# Altium PCB LimeSDR-Micro_M.2_2280_1v2.PcbDoc (part 7 of 9)
Units mm, origin at the board's own origin, x right, y up, seen from the top; angles counter-clockwise.
Board outline 80 x 22 mm, 8 copper layers (Top, L2, L3, L4, L5, L6, L7, Bottom), stack 0.775 mm thick; 678 components, 387 nets, 2375 pads, 919 vias.
Unrouted connection lines stored in the file: 254.
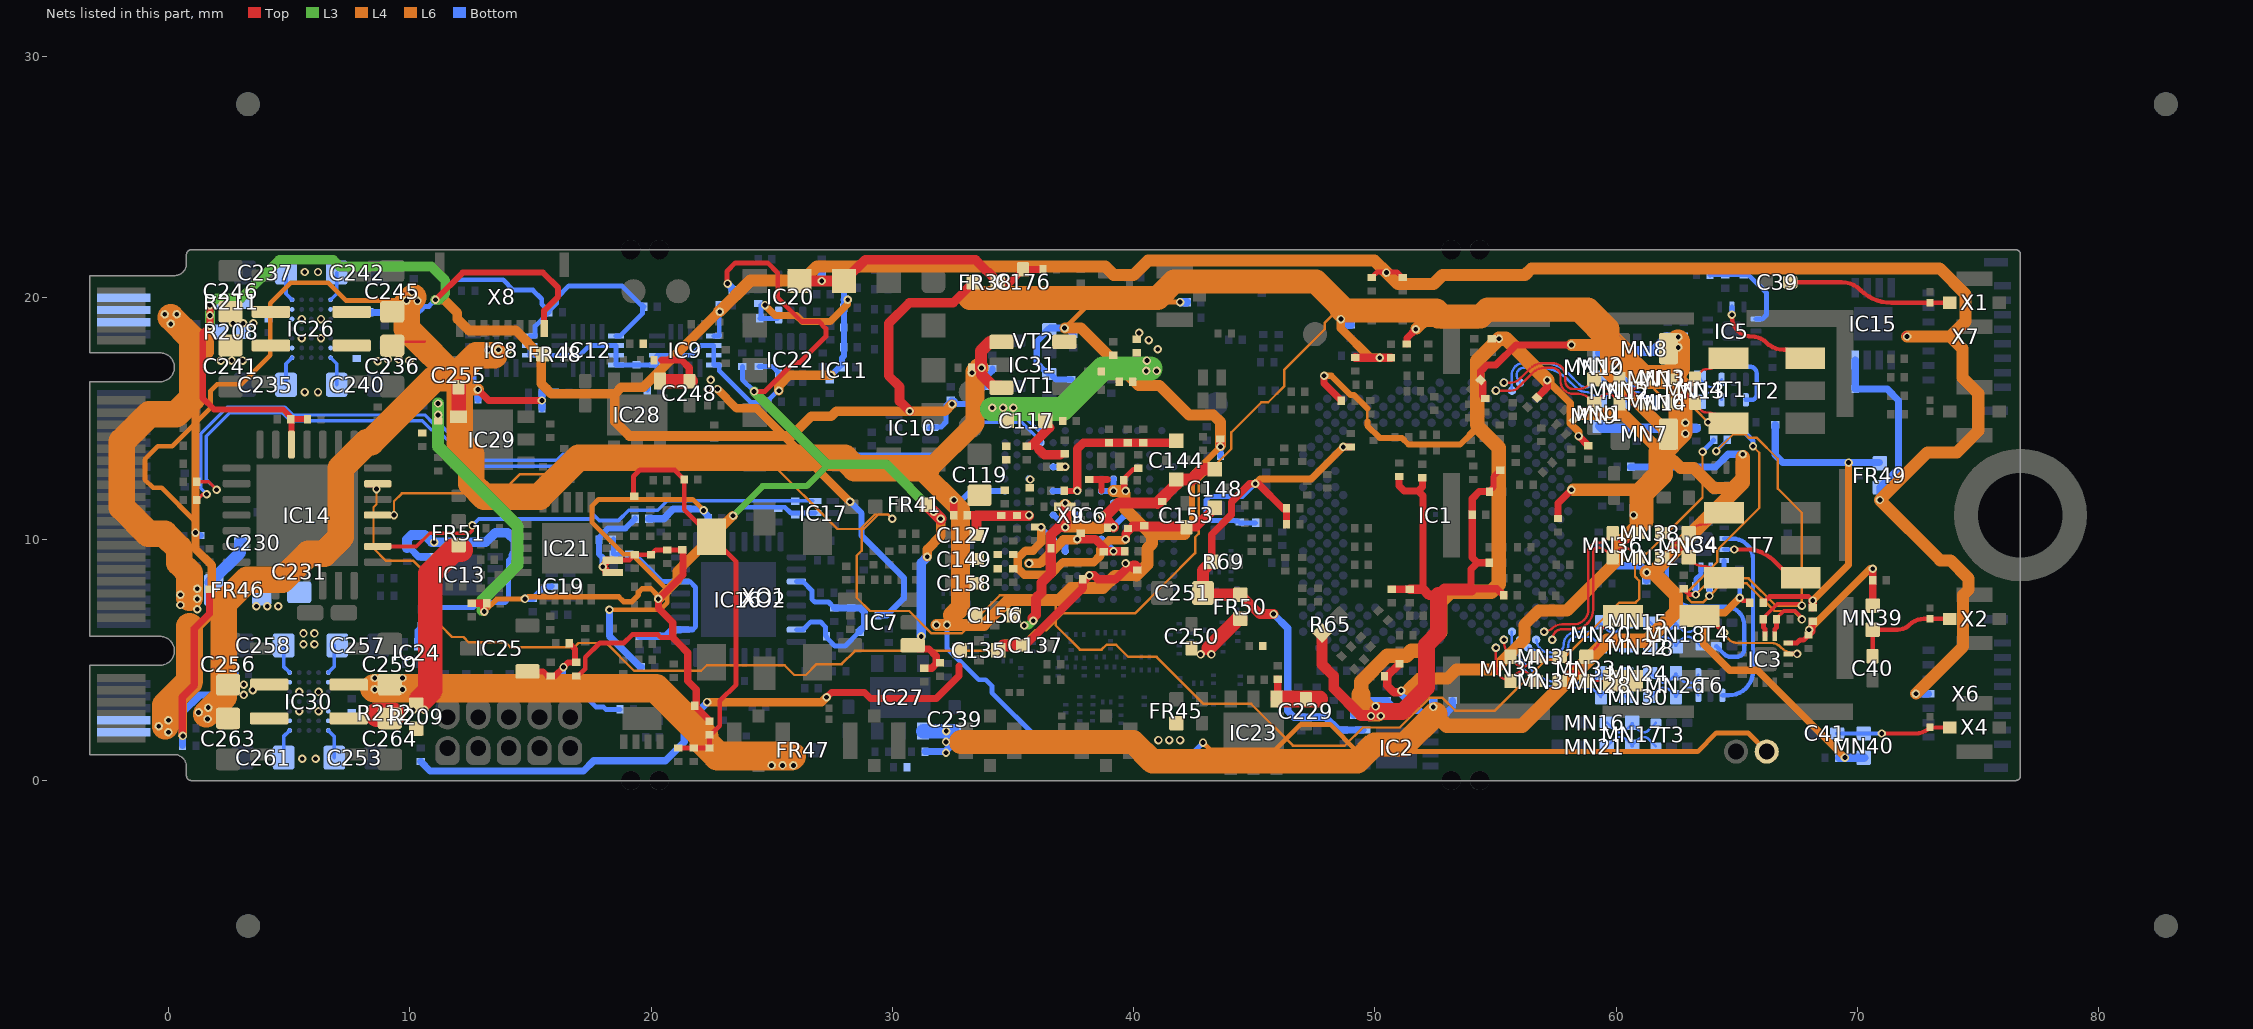
[diagram p13: the nets of this part, all layers, seen from the top]

## Via types
v1: diameter 0.35, hole 0.2, Top to Bottom, tented both sides, 753 vias
v2: diameter 0.35, hole 0.2, L5 to Bottom, tented both sides, 124 vias
v3: diameter 0.4, hole 0.2, Top to Bottom, tented both sides, 30 vias
v4: diameter 0.5, hole 0.2, Top to Bottom, tented both sides, 12 vias

## Nets (pads, with @x,y where several pads share a name; then routed paths per layer and width w, separated by ;. In a path a pad name is that pad's centre, name@x,y a point inside that pad or via, vN(x,y) a via of type N, cw(c..) or ccw(c..) an arc to the next point about the centre after c; other vN are vias at no path point) (continued)
RX1_L_B_N: MN17.1 MN21.1 T3.3 | length 2.7
  Bottom w0.1: MN21.1@59.613,1.403 59.907,1.697 cw(c60.164,1.439) 60.164,1.803 ; 60.162,1.803 cw(c60.162,1.439) 60.42,1.697 MN17.1@60.688,1.428 ; MN17.1@60.638,1.429 60.907,1.697 cw(c61.164,1.439) 61.164,1.803 cw(c61.164,1.586) 61.318,1.74 T3.3@61.641,1.417
RX1_L_B_P: MN16.1 MN17.2 T3.4 | length 2.7
  Bottom w0.1: MN16.1@59.613,2.403 59.907,2.11 ccw(c60.164,2.368) 60.163,2.004 ccw(c60.162,2.368) 60.42,2.11 MN17.2@60.688,2.378 ; MN17.2@60.638,2.378 60.663,2.354 60.907,2.11 ccw(c61.164,2.368) 61.164,2.004 ccw(c61.164,2.221) 61.318,2.067 T3.4@61.641,2.39
RX1_W: IC3.3 T8.1 | length 5
  Top w0.18: T8.1@63.456,6.82 T8.1@63.721,6.82 ; T8.1@63.746,6.845 v1(64.466,6.125) ; IC3.3@67.118,5.25 v1(67.491,5.25)
  L6 w0.1: v1@64.441,6.1 ccw(c64.501,6.1) 64.458,6.057 64.666,5.85 ccw(c65.028,6.212) 65.028,5.7 66.454,5.7 cw(c66.454,5.25) 66.773,5.568 66.808,5.533 ccw(c67.491,6.216) v1(67.491,5.25)
RX1_W_A_N: IC1.AP10 MN35.1 MN37.2 | length 3
  Top w0.1: v1(55.013,5.501) 55.013,4.727 ccw(c55.591,4.727) 55.591,4.15 55.859,4.418 cw(c56.117,4.16) 56.117,4.525 ; 56.115,4.525 cw(c56.115,4.16) 56.372,4.418 MN37.2@56.666,4.125
RX1_W_A_P: IC1.AN9 MN31.2 MN35.2 | length 2.4
  Top w0.1: v1(55.346,5.834) 55.346,5.776 ccw(c56.266,5.776) MN35.2@55.616,5.125 MN35.2@55.411,5.125 ; MN35.2@55.591,5.1 55.859,4.832 ccw(c56.117,5.09) 56.117,4.725 ; 56.115,4.725 ccw(c56.115,5.09) 56.372,4.832 MN31.2@56.666,5.125
RX1_W_B_N: MN33.1 MN37.1 T8.4 | length 2.9
  Top w0.1: MN37.1@57.666,4.125 57.959,4.418 cw(c58.217,4.16) 58.217,4.525 ; 58.215,4.525 cw(c58.215,4.16) 58.472,4.418 MN33.1@58.741,4.15 ; MN33.1@58.766,4.125 T8.4@60.276,4.125
RX1_W_B_P: MN31.1 MN33.2 T8.6 | length 3.8
  Top w0.1: MN31.1@57.666,5.125 57.959,4.832 ccw(c58.217,5.09) 58.217,4.725 ; 58.215,4.725 ccw(c58.215,5.09) 58.472,4.832 MN33.2@58.741,5.1 ; MN33.2@58.766,5.125 59.136,5.495 ccw(c58.581,6.05) 59.366,6.05 ; 59.366,6.084 cw(c59.827,6.084) 59.501,6.41 59.501,6.42 59.643,6.562 59.653,6.562 cw(c60.276,5.939) T8.6@60.276,6.82
RX2_H: IC4.2 T6.1 | length 8.2
  Bottom w0.18: T6.1@64.399,3.53 64.659,3.53 ccw(c64.659,4.536) 65.666,4.536 65.666,9.179 ccw(c64.819,9.179) 64.819,10.025 IC4.2@64.468,10.025
RX2_H_A_N: IC1.AM8 MN28.1 MN30.2 | length 6.7
  Bottom w0.1: IC1.AM8@55.679,6.167 55.671,6.159 55.671,5.493 ccw(c56.591,5.493) 55.941,4.842 56.377,4.406 ccw(c57.709,5.739) 57.709,3.855 58.485,3.855 58.817,3.855 cw(c58.817,3.49) 59.075,3.748 MN28.1@59.343,3.48 ; MN28.1@59.368,3.455 MN28.1@59.343,3.48 ; MN30.2@60.418,3.455 60.125,3.748 ccw(c59.867,3.49) 59.868,3.854 ccw(c59.869,3.49) 59.612,3.748 MN28.1@59.343,3.48
RX2_H_A_P: IC1.AN7 MN24.2 MN28.2 | length 6
  Bottom w0.1: IC1.AN7@56.012,5.834 cw(c55.909,5.834) 55.982,5.761 ccw(c56.25,5.494) 55.871,5.494 ccw(c56.593,5.494) 56.083,4.983 56.516,4.55 ccw(c57.712,5.746) 57.712,4.055 58.485,4.055 ; 58.488,4.055 58.817,4.055 ccw(c58.817,4.419) 59.075,4.161 59.343,4.43 59.612,4.161 ccw(c59.869,4.419) 59.868,4.055 ccw(c59.867,4.419) 60.125,4.161 MN24.2@60.418,4.455
RX2_H_B_N: MN26.1 MN30.1 T6.3 | length 2.7
  Bottom w0.1: MN30.1@61.418,3.455 61.712,3.748 cw(c61.969,3.49) 61.969,3.854 ; 61.967,3.854 cw(c61.967,3.49) 62.225,3.748 MN26.1@62.468,3.505 ; MN26.1@62.443,3.48 MN26.1@62.468,3.505 ; MN26.1@62.493,3.48 MN26.1@62.468,3.505 ; T6.3@63.399,3.53 cw(c63.519,3.65) 63.349,3.65 ccw(c63.144,3.65) 63.144,3.855 62.969,3.855 ccw(c62.969,3.49) 62.712,3.748 MN26.1@62.468,3.505
RX2_H_B_P: MN24.1 MN26.2 T6.4 | length 2.7
  Bottom w0.1: MN24.1@61.418,4.455 61.712,4.161 ccw(c61.969,4.419) 61.969,4.055 ; 61.967,4.055 ccw(c61.967,4.419) 62.225,4.161 MN26.2@62.493,4.43 ; MN26.2@62.443,4.43 62.712,4.161 ccw(c62.969,4.419) 62.969,4.055 63.144,4.055 ccw(c63.144,4.259) 63.349,4.259 cw(c63.519,4.259) T6.4@63.399,4.38
RX2_L: IC4.9 T4.2 | length 8.4
  Bottom w0.18: IC4.9@62.563,9.575 62.416,9.575 ccw(c62.416,9.25) 62.194,9.487 ccw(c62.416,9.25) 62.091,9.25 62.091,8.325 ccw(c63.216,8.325) 63.216,7.2 64.545,7.2 cw(c64.545,6.445) 65.3,6.445 65.3,5.43 cw(c65,5.43) 65,5.13 64.725,5.13 cw(c64.725,5.467) 64.486,5.229 T4.2@64.15,5.565
RX2_L_A_N: IC1.AP6 MN20.1 MN22.2 | length 5.1
  Bottom w0.1: IC1.AP6@56.345,5.501 ccw(c56.427,5.583) 56.427,5.467 cw(c56.427,5.121) 56.672,5.366 56.752,5.286 ccw(c57.14,5.674) 57.14,5.125 57.516,5.125 ccw(c57.516,5.625) 58.016,5.625 cw(c58.345,5.625) 58.345,5.954 58.817,5.954 cw(c58.817,5.59) 59.075,5.848 MN20.1@59.343,5.58 ; MN20.1@59.368,5.555 MN20.1@59.343,5.58 ; MN22.2@60.418,5.555 60.125,5.848 ccw(c59.867,5.59) 59.868,5.954 ccw(c59.869,5.59) 59.612,5.848 MN20.1@59.343,5.58
RX2_L_A_P: IC1.AN5 MN15.2 MN20.2 | length 4.9
  Bottom w0.1: IC1.AN5@56.678,5.834 cw(c56.596,5.752) 56.712,5.752 ccw(c57.059,5.752) 56.814,5.507 56.893,5.427 ccw(c57.141,5.675) 57.141,5.325 57.516,5.325 ccw(c57.516,5.625) 57.816,5.625 cw(c58.345,5.625) 58.345,6.155 58.817,6.155 ccw(c58.817,6.519) 59.075,6.261 59.343,6.53 59.612,6.261 ccw(c59.869,6.519) 59.868,6.155 ccw(c59.867,6.519) 60.125,6.261 MN15.2@60.418,6.555
RX2_L_B_N: MN18.1 MN22.1 T4.3 | length 2.7
  Bottom w0.1: MN22.1@61.418,5.555 61.712,5.848 cw(c61.969,5.59) 61.968,5.954 cw(c61.967,5.59) 62.225,5.848 MN18.1@62.468,5.605 ; MN18.1@62.443,5.58 MN18.1@62.468,5.605 ; MN18.1@62.493,5.58 MN18.1@62.468,5.605 ; T4.3@63.5,5.565 63.21,5.855 ccw(c62.969,5.614) 62.969,5.955 ccw(c62.969,5.59) 62.712,5.848 MN18.1@62.468,5.605
RX2_L_B_P: MN15.1 MN18.2 T4.4 | length 2.7
  Bottom w0.1: MN15.1@61.418,6.555 61.712,6.261 ccw(c61.969,6.519) 61.968,6.155 ccw(c61.967,6.519) 62.225,6.261 MN18.2@62.468,6.504 ; MN18.2@62.443,6.53 MN18.2@62.468,6.504 ; MN18.2@62.493,6.53 MN18.2@62.468,6.504 ; T4.4@63.5,6.545 63.21,6.254 cw(c62.969,6.495) 62.969,6.155 cw(c62.969,6.519) 62.712,6.261 MN18.2@62.468,6.504
RX2_W: IC4.3 T7.3 | length 3.5
  Top w0.18: v1(64.891,9.575) 65.429,9.575 cw(c65.429,8.039) 66.516,9.125 66.969,8.672 ccw(c67.613,9.315) T7.3@67.613,8.405
  Bottom w0.18: IC4.3@64.468,9.575 v1(64.891,9.575)
RX2_W_A_N: IC1.AM4 MN36.1 MN38.2 | length 7.4
  Top w0.1: v1(57.011,6.167) cw(c57.093,6.085) 57.093,6.201 ccw(c57.093,6.547) 57.338,6.302 ; 57.339,6.303 cw(c57.754,5.888) 57.754,6.475 58.235,6.475 ccw(c58.235,7.081) 58.841,7.081 58.841,9.5 cw(c59.191,9.5) 59.191,9.85 ccw(c59.191,10.485) 59.64,10.036 MN36.1@59.829,10.225 ; MN36.1@59.854,10.25 MN36.1@59.829,10.225 ; MN38.2@60.904,10.25 60.61,9.957 cw(c60.353,10.215) 60.354,9.85 cw(c60.355,10.215) 60.097,9.957 MN36.1@59.829,10.225
RX2_W_A_P: IC1.AN3 MN32.2 MN36.2 | length 7.2
  Top w0.1: v1(57.344,5.834) ccw(c57.262,5.916) 57.378,5.916 cw(c57.725,5.916) 57.48,6.161 cw(c57.755,5.886) 57.755,6.275 58.235,6.275 ccw(c58.235,7.081) 59.041,7.081 59.041,9.5 cw(c59.191,9.5) 59.191,9.65 cw(c59.191,9.015) 59.64,9.464 MN36.2@59.829,9.275 ; MN36.2@59.854,9.25 MN36.2@59.829,9.275 ; MN32.2@60.904,9.25 60.61,9.543 ccw(c60.353,9.285) 60.354,9.65 ccw(c60.355,9.285) 60.097,9.543 MN36.2@59.829,9.275
RX2_W_B_N: MN34.1 MN38.1 T7.6 | length 3.1
  Top w0.1: MN38.1@61.904,10.25 62.197,9.957 ccw(c62.455,10.215) 62.455,9.85 ; 62.453,9.85 ccw(c62.453,10.215) 62.71,9.957 MN34.1@62.979,10.225 ; MN34.1@63.004,10.25 63.221,10.468 cw(c63.541,10.148) 63.541,10.6 ccw(c63.541,11.633) 64.271,10.903 T7.6@64.464,11.095
RX2_W_B_P: MN32.1 MN34.2 T7.4 | length 2.8
  Top w0.1: MN32.1@61.904,9.25 62.197,9.543 cw(c62.455,9.285) 62.455,9.65 ; 62.453,9.65 cw(c62.453,9.285) 62.71,9.543 MN34.2@62.979,9.275 ; MN34.2@63.221,9.032 ccw(c63.541,9.352) 63.541,8.9 cw(c63.541,7.867) 64.271,8.597 T7.4@64.464,8.405
RX_SW2: IC14.25 R60.2 | length 76.6
  Top w0.15: IC14.25@8.675,11 v1(9.35,11)
  L4 w0.1: v1(30,10.85) 29.991,10.85 29.816,11.025 29.275,11.025 28.725,10.475 28.725,9.525 28.525,9.325 28.525,7.575 29.075,7.025 30.7,7.025 31.625,6.1 32.875,6.1 34.45,7.675 36.425,7.675 36.775,7.325 36.775,6.425 37.775,5.425 38.375,5.425 38.675,5.425 38.875,5.625 39.275,5.625 39.775,5.125 40.95,5.125 42.9,3.175 44.875,3.175 46.6,1.45 48.75,1.45 49.5,2.2 51.031,2.2 52.256,3.425 52.8,3.425 53.325,2.9 54.975,2.9 57.075,5 57.75,5 60.125,7.375 60.8,7.375 60.95,7.525 60.95,8.275 60.775,8.45 60.775,8.925 63.575,11.725 v1(63.575,13.625)
  L6 w0.1: v1(9.35,11) 9.35,11.575 9.675,11.9 13.775,11.9 14.575,12.7 16.341,12.7 16.926,13.285 24.862,13.285 27.722,10.425 28.815,10.425 29.415,11.025 29.816,11.025 29.991,10.85 v1(30,10.85)
  Bottom w0.2: v1(63.575,13.625) 63.575,13.639 64.036,14.1 R60.2@64.036,14.125
RX_SW2_DIV: C46.1 C48.1 IC3.6 IC4.6 R60.1 R64.1 | length 20
  Top w0.15: C46.1@66.096,6.675 66.146,6.725 66.146,6.793 66.678,7.325 v1@67.616,7.325
  Top w0.2: R64.1@62.791,7.945 62.816,7.945 62.866,7.895 62.866,7.87 63.024,7.712 63.293,7.712 v1(63.294,7.71) ; C46.1@66.096,6.675 66.096,6.345 66.166,6.275 IC3.6@66.166,5.977
  L4 w0.1: v1(63.294,7.71) 63.959,8.375 65.483,8.375 66.608,7.25 v1(67.691,7.25) 67.691,11.1 66.691,12.1 66.691,13.334 65.825,14.2 65.5,14.2 65.35,14.35 64.846,14.35 v1(64.146,13.65)
  Bottom w0.15: v1(64.146,13.65) 64.146,13.675 64.158,13.675 64.596,14.113 R60.1@64.596,14.125
  Bottom w0.2: v1(63.294,7.71) C48.1@63.294,8.06 63.294,8.354 63.516,8.575 IC4.6@63.516,8.847
RX_SW3: IC14.27 R61.2 | length 73.7
  Top w0.3: IC14.27@8.3,12.3 IC14.27@8.725,12.3 ; v1(8.625,12.075) IC14.27@8.625,12.236
  L6 w0.1: v1(8.625,12.075) 8.625,11.45 8.5,11.325 8.5,9.625 9.025,9.1 10.158,9.1 11.275,7.983 11.275,6.434 11.759,5.95 12.225,5.95 12.45,5.725 13.975,5.725 14.175,5.525 16.825,5.525 17,5.7 18.15,5.7 19.3,4.55 22.083,4.55 22.308,4.775 25.535,4.775 25.935,4.375 26.413,4.375 26.863,4.825 27.898,4.825 28.448,5.375 34.225,5.375 34.65,5.8 35.491,5.8 35.916,6.225 36.365,6.225 37.065,6.925 40.05,6.925 41.3,8.175 ; 41.301,8.175 42.55,9.424 42.55,10.081 42.7,10.231 42.7,12.4 44.05,13.75 44.05,14.433 45.292,15.675 45.576,15.675 46.25,16.349 46.25,17.035 47.925,18.71 47.925,18.975 48.65,19.7 52.45,19.7 52.775,19.375 54.066,19.375 54.641,19.95 58.666,19.95 59.134,19.482 59.368,19.248 60.766,17.85 60.766,17.025 62.391,15.4 63.256,15.4 v2(63.806,14.85)
RX_SW3_DIV: C47.1 C49.1 IC3.5 IC4.5 R61.1 R63.1 | length 18.5
  Top w0.15: C47.1@66.636,6.723 66.938,7.025 67.418,7.025 67.691,6.752 v1@67.691,6.7
  Top w0.2: IC3.5@66.566,5.977 66.566,6.275 66.636,6.345 C47.1@66.636,6.675 C47.1@66.636,6.723
  L4 w0.1: v1(65.666,13.85) 65.666,13.845 65.925,13.586 65.925,11.3 64.191,9.566 64.191,9.066 62.966,7.841 62.966,7.55 63.131,7.385 63.596,7.385 v1(63.861,7.65) 64.386,8.175 65.4,8.175 66.55,7.025 67.341,7.025 v1(67.691,6.675)
  Bottom w0.2: v1(63.861,7.65) C49.1@63.861,8 63.916,8.055 IC4.5@63.916,8.847 ; R61.1@64.591,14.85 R63.1@65.231,14.85 65.231,14.51 65.666,14.075 v1(65.666,13.85)
RXA: C40.1 ESD2.1 MN39.1 X2.1 | length 4.4
  Top w0.18: C40.1@70.625,5.15 MN39.1@70.625,6.25 71.667,6.25 ccw(c71.667,6.933) 72.15,6.45 cw(c72.753,5.847) 72.753,6.7 ESD2.1@73,6.7 X2.1@73.825,6.7
RXB: C41.1 ESD3.1 MN40.1 X4.1 | length 4.7
  Top w0.18: v1(71,1.95) 72.397,1.95 ccw(c72.397,2.803) ESD3.1@73,2.2 X4.1@73.825,2.2
  Bottom w0.18: C41.1@69.15,1.95 MN40.1@70.25,1.95 v1(71,1.95)
SMB_CLK_CTRL: IC14.23 IC17.6 R159.1 | length 19.1
  Top w0.15: IC14.23@8.675,9.7 10.275,9.7 10.825,10.25 12.475,10.25 12.6,10.375 v1(12.6,10.575)
  Bottom w0.15: v1(12.6,10.575) 12.865,10.84 17.491,10.84 17.638,10.987 17.85,10.775 18.65,10.775 19.075,11.2 20.275,11.2 20.675,11.6 IC17.6@26.7,11.6
T0_N: C116.2 IC6.R4 | length 40.3
  Top w0.14: C116.2@1.175,11.625 1.416,11.866 v1(1.585,11.866)
  Bottom w0.14: v1(1.585,11.866) 1.335,12.116 1.335,14.369 2.441,15.475 4.825,15.475 4.855,15.445 4.865,15.445 5.16,15.15 10.625,15.15 11,14.775 11.25,14.775 12.75,13.275 16.1,13.275 16.35,13.525 32.011,13.525 33.566,15.081 35.469,15.081 36.019,14.531 36.136,14.531 IC6.R4@36.167,14.5
T0_P: C114.2 IC6.P4 | length 40.4
  Top w0.14: C114.2@1.175,12.375 1.675,12.375 v1(2,12.05)
  Bottom w0.14: v1(2,12.05) 1.575,12.475 1.575,14.269 2.541,15.235 4.726,15.235 4.756,15.205 4.766,15.205 5.061,14.91 10.526,14.91 10.901,14.535 11.151,14.535 12.661,13.025 16.211,13.025 16.471,13.285 16.51,13.285 32.11,13.285 33.666,14.841 35.369,14.841 36.167,14.043 IC6.P4@36.167,14
TX1_1: IC5.11 T1.1 | length 3
  Bottom w0.18: IC5.11@64.791,17.625 64.791,17.425 ccw(c65.066,17.425) 65.066,17.15 65.541,17.15 cw(c65.541,16.875) 65.816,16.875 65.816,15.987 cw(c65.604,15.987) 65.604,15.775 T1.1@65.367,15.775
TX1_1_A_N: IC1.A7 MN1.1 MN5.1 MN6.2 | length 7.2
  Bottom w0.1: IC1.A7@56.012,16.49 ccw(c55.909,16.49) 55.982,16.563 55.962,16.583 cw(c56.181,16.802) 55.871,16.802 cw(c56.181,16.802) 55.962,17.021 cw(c56.152,16.831) 56.152,17.1 56.864,17.1 cw(c56.864,15.545) 57.963,16.644 58.328,16.28 ccw(c58.763,16.715) 58.763,16.1 58.765,16.1 cw(c58.765,15.735) 59.022,15.993 MN1.1@59.316,15.7 59.609,15.993 cw(c59.867,15.735) 59.866,16.1 cw(c59.865,15.735) 60.122,15.993 MN5.1@60.366,15.75 ; MN5.1@60.341,15.725 MN5.1@60.366,15.75 ; MN5.1@60.391,15.725 MN5.1@60.366,15.75 ; MN6.2@61.416,15.7 61.122,15.993 ccw(c60.865,15.735) 60.866,16.1 ccw(c60.867,15.735) 60.609,15.993 MN5.1@60.366,15.75
TX1_1_A_P: IC1.B8 MN2.1 MN3.1 MN5.2 | length 7.8
  Bottom w0.1: IC1.B8@55.679,16.157 55.671,16.165 55.671,16.803 cw(c56.179,16.803) 55.82,17.162 55.821,17.163 cw(c56.151,16.833) 56.151,17.3 56.947,17.3 cw(c56.947,15.745) 58.046,16.844 58.468,16.423 ccw(c58.765,16.72) 58.765,16.3 ccw(c58.765,16.665) 59.022,16.407 MN2.1@59.291,16.675 ; MN2.1@59.316,16.7 59.609,16.407 ccw(c59.867,16.665) 59.866,16.3 ccw(c59.865,16.665) 60.122,16.407 MN5.2@60.366,16.65 ; MN5.2@60.341,16.675 MN5.2@60.366,16.65 ; MN5.2@60.391,16.675 MN5.2@60.366,16.65 ; MN3.1@61.416,16.7 61.122,16.407 cw(c60.865,16.665) 60.866,16.3 cw(c60.867,16.665) 60.609,16.407 MN5.2@60.366,16.65
TX1_1_B_N: MN4.2 MN6.1 T1.3 | length 2.6
  Bottom w0.1: MN6.1@62.416,15.7 62.709,15.993 cw(c62.967,15.735) 62.966,16.1 ; 62.966,16.1 cw(c62.965,15.735) 63.222,15.993 MN4.2@63.466,15.75 ; MN4.2@63.441,15.725 MN4.2@63.466,15.75 ; MN4.2@63.491,15.725 MN4.2@63.466,15.75 ; T1.3@64.367,15.775 cw(c64.487,15.896) 64.317,15.896 ccw(c64.112,15.896) 64.112,16.1 63.967,16.1 ccw(c63.967,15.735) 63.709,15.993 MN4.2@63.466,15.75
TX1_1_B_P: MN3.2 MN4.1 T1.4 | length 2.6
  Bottom w0.1: MN3.2@62.416,16.7 62.709,16.407 ccw(c62.967,16.665) 62.966,16.3 ; 62.966,16.3 ccw(c62.965,16.665) 63.222,16.407 MN4.1@63.466,16.65 ; MN4.1@63.441,16.675 MN4.1@63.466,16.65 ; MN4.1@63.491,16.675 MN4.1@63.466,16.65 ; T1.4@64.367,16.625 ccw(c64.487,16.504) 64.317,16.504 cw(c64.112,16.504) 64.112,16.3 63.967,16.3 cw(c63.967,16.665) 63.709,16.407 MN4.1@63.466,16.65
TX1_2: IC5.5 T2.1 | length 3.4
  Top w0.18: v1(64.791,19.3) 64.791,19.221 ccw(c65.612,19.221) 65.612,18.4 cw(c65.612,17.546) 66.216,18.15 ccw(c66.94,18.874) 66.94,17.85 T2.1@67.091,17.85 ; T2.1@67.761,17.564 T2.1@67.831,17.495
  Bottom w0.2: v1(64.791,19.3) IC5.5@64.791,19.625
TX1_2_A_N: IC1.B10 MN9.1 MN12.2 MN14.1 | length 8
  Top w0.1: v1(55.013,16.157) 55.634,16.157 ccw(c55.634,16.552) 55.914,16.273 56.564,16.923 cw(c56.991,16.496) 56.991,17.1 57.341,17.1 cw(c57.341,16.75) 57.691,16.75 57.691,16.55 ccw(c58.216,16.55) 58.216,16.025 58.428,16.025 cw(c58.428,15.39) 58.877,15.839 MN9.1@59.091,15.625 59.384,15.918 cw(c59.642,15.66) 59.641,16.025 cw(c59.64,15.66) 59.897,15.918 60.141,15.675 60.116,15.65 60.384,15.918 cw(c60.642,15.66) 60.641,16.025 cw(c60.64,15.66) 60.897,15.918 MN14.1@61.191,15.625
TX1_2_A_P: IC1.A9 MN10.1 MN11.2 MN12.1 | length 7.7
  Top w0.1: v1(55.346,16.49) 55.633,16.49 ccw(c55.633,17.01) 56,16.642 ; 56.047,16.689 56,16.642 ; MN11.2@61.191,16.625 60.897,16.332 cw(c60.64,16.59) 60.641,16.225 cw(c60.642,16.59) 60.384,16.332 60.116,16.6 60.141,16.575 59.897,16.332 cw(c59.64,16.59) 59.641,16.225 cw(c59.642,16.59) 59.384,16.332 MN10.1@59.091,16.625 58.877,16.411 cw(c58.428,16.86) 58.428,16.225 58.216,16.225 cw(c58.216,16.55) 57.891,16.55 57.891,16.75 ccw(c57.341,16.75) 57.341,17.3 56.99,17.3 ccw(c56.99,16.498) 56.423,17.065 56,16.642
TX1_2_B_N: MN13.1 MN14.2 T2.4 | length 3.1
  Top w0.1: MN14.2@62.191,15.625 62.484,15.918 cw(c62.742,15.66) 62.742,16.025 ; 62.74,16.025 cw(c62.74,15.66) 62.997,15.918 MN13.1@63.266,15.65 ccw(c63.386,15.65) 63.301,15.565 63.527,15.338 ccw(c63.741,15.552) 63.741,15.25 cw(c63.741,14.127) 64.535,14.921 T2.4@64.651,14.805
TX1_2_B_P: MN11.1 MN13.2 T2.6 | length 3.1
  Top w0.1: MN11.1@62.191,16.625 62.484,16.332 ccw(c62.742,16.59) 62.742,16.225 ; 62.74,16.225 ccw(c62.74,16.59) 62.997,16.332 MN13.2@63.266,16.6 ; MN13.2@63.266,16.65 cw(c63.386,16.65) 63.301,16.735 63.527,16.962 cw(c63.741,16.748) 63.741,17.05 ccw(c63.741,18.173) 64.535,17.379 T2.6@64.651,17.495
TX_SW_DIV: C43.1 IC5.7 R59.1 R62.1 | length 4.1
  Bottom w0.2: R59.1@63.88,20.955 63.885,20.96 R62.1@64.511,20.96 C43.1@65.275,20.96 65.476,20.96 66.225,20.211 66.225,19.3 66.05,19.125 IC5.7@65.791,19.125
TXA: C39.1 ESD1.1 X1.1 | length 6.9
  Top w0.18: C39.1@67.2,20.65 69.34,20.65 cw(c69.34,19.54) 70.125,20.325 ccw(c71.392,21.592) 71.392,19.8 ESD1.1@73,19.8 X1.1@73.825,19.8
VCC0P9: C139.2 C140.2 C141.2 C142.2 C143.2 C144.1 C148.1 C156.1 C236.2 IC6.G6 IC6.G10 IC6.H5 IC6.H7 IC6.H9 IC6.H11 IC6.J6 IC6.J10 IC26.C4 L2.2 | length 18.8
  Top w0.1: C236.2@9.275,18.025 9.425,18.175 10.625,18.175
  Top w0.42: v1@35.816,6.725 35.949,6.858 35.949,7.548 36.182,7.781 36.182,8.201 36.566,8.585 36.566,10.175 36.891,10.5 v1(37.167,10.5) 37.167,11.25
  Top w0.45: v1(39.167,10.5) 38.791,10.876 38.791,10.917 39.374,11.5 40.991,11.5
  Top w0.5: 40.991,11.5 41.766,12.275 C144.1@41.766,12.475 42.416,12.475 42.841,12.9 C148.1@43.366,12.9
  L3 w0.35: v1(35.466,6.425) 35.641,6.425 v1(35.841,6.625)
  L6 w0.5: v1@37.166,10.525 v1@37.166,11.425 ; v1@37.216,10.525 37.891,10.525 37.941,10.475 38.616,10.475 38.866,10.725
  Bottom w0.25: IC6.H5@36.667,11 36.68,11 36.705,10.975 36.722,10.975 37.142,10.555 37.142,10.539 37.167,10.514 v1(37.167,10.5) ; v1(37.167,11.5) 37.167,11.486 37.192,11.461 37.192,11.445 37.611,11.025 37.628,11.025 37.653,11 IC6.H7@37.667,11 ; IC6.H9@38.667,11 v1(38.68,11) 38.705,11.025 38.757,11.025 39.167,11.434 IC6.J10@39.167,11.5 ; v1(39.167,10.5) 39.167,10.514 39.192,10.539 39.192,10.555 39.611,10.975 39.628,10.975 39.653,11 IC6.H11@39.667,11
  other v1: 8.675,17.375 9.975,17.4 9.1,17.45 9.55,17.45 6.325,18.325
VCC0P9_AFE_CVDD: C148.3 C152.2 C153.2 C154.2 C155.2 IC6.F5 IC6.F11 | length 12.7
  Top w0.35: v1(39.667,10) 39.667,10.226 39.816,10.375 39.966,10.525
  Top w0.4: 39.966,10.525 40.441,10.525 42.191,10.525 42.591,10.525 C148.3@43.366,11.3
  L6 w0.35: v1(36.167,10.5) 36.167,9.864 35.833,9.53 35.525,9.53 35.192,9.197 35.192,8.803 35.47,8.525 36.555,8.525 37.08,9.05 38.353,9.05 38.617,9.314 38.617,9.586 38.98,9.95 39.617,9.95 v1(39.667,10)
  Bottom w0.2: v1(36.167,10.5) IC6.F5@36.667,10
VCC0P9_AFE_SVDD: C149.2 C150.1 C151.1 C156.3 C157.2 C158.2 C159.2 C160.2 C161.2 C162.2 IC6.D3 IC6.E6 IC6.E10 IC6.F7 IC6.F9 | length 6.1
  Top w0.35: v1(37.667,10) 38.416,10 38.916,9.5 v1(39.167,9.5) C150.1@39.606,9.5
  L6 w0.4: v1(35.667,9) 36.116,9 37.091,9.975 v1@37.642,9.975
  Bottom w0.25: IC6.E6@37.167,9.5 37.167,9.801 37.366,10 v1(37.667,10) ; IC6.F9@38.667,10 38.68,10 38.705,9.975 38.722,9.975 39.157,9.54 39.157,9.51 v1(39.167,9.5)
VCC0P9_SD_SVDD: C144.3 C145.2 C146.2 C147.2 IC6.K5 IC6.K7 R81.2 | length 7.5
  Top w0.25: R81.2@37.121,12 v1(37.667,12)
  Top w0.35: v1(37.667,12) 37.666,12.001 37.666,13.75 37.916,14 38.491,14 39.266,14 39.916,14 41.691,14 C144.3@41.766,14.075
  Bottom w0.25: IC6.K5@36.667,12 v1(37.667,12)
VCC1P4_LMS: C239.2 FR10.2 FR22.2 FR23.2 FR24.2 FR25.2 IC27.4 R201.2 R202.1 | length 71.4
  Top w0.3: FR25.2@51.325,18.085 51.325,18.334 v1(51.691,18.7)
  L4 w0.6: 52.5,2.75 52.975,2.275 56.104,2.275 59.629,5.8 61.275,5.8 62.475,7 62.475,7.675 61.525,8.625 ; v1(61.266,8.625) 61.525,8.625 ; v1@65.241,13.4 65.241,12.341 61.525,8.625
  L4 w1: 32.85,1.6 39.975,1.6 40.775,0.8 49.275,0.8 49.975,1.5 51.25,1.5 52.5,2.75
  L6 w0.5: v1@51.716,18.725 51.966,18.975 51.983,18.975 52.058,19.05 52.492,19.05 52.567,18.975 54.241,18.975 54.541,19.275 58.342,19.275 59.566,18.052 59.566,16.975 61.991,14.55 61.991,13.625 62.666,12.95 63.216,12.95 64.041,12.125 64.783,12.125 65.241,12.583 v1@65.241,13.45